# KiCad board pico_keyboard_v1.kicad_pcb
title: Pico Prototype Keyboard 65%; date: 2022-10-16; rev: 0.5; note: CC BY-SA 4.0; note: https://github.com/zli117/Pico-Keyboard
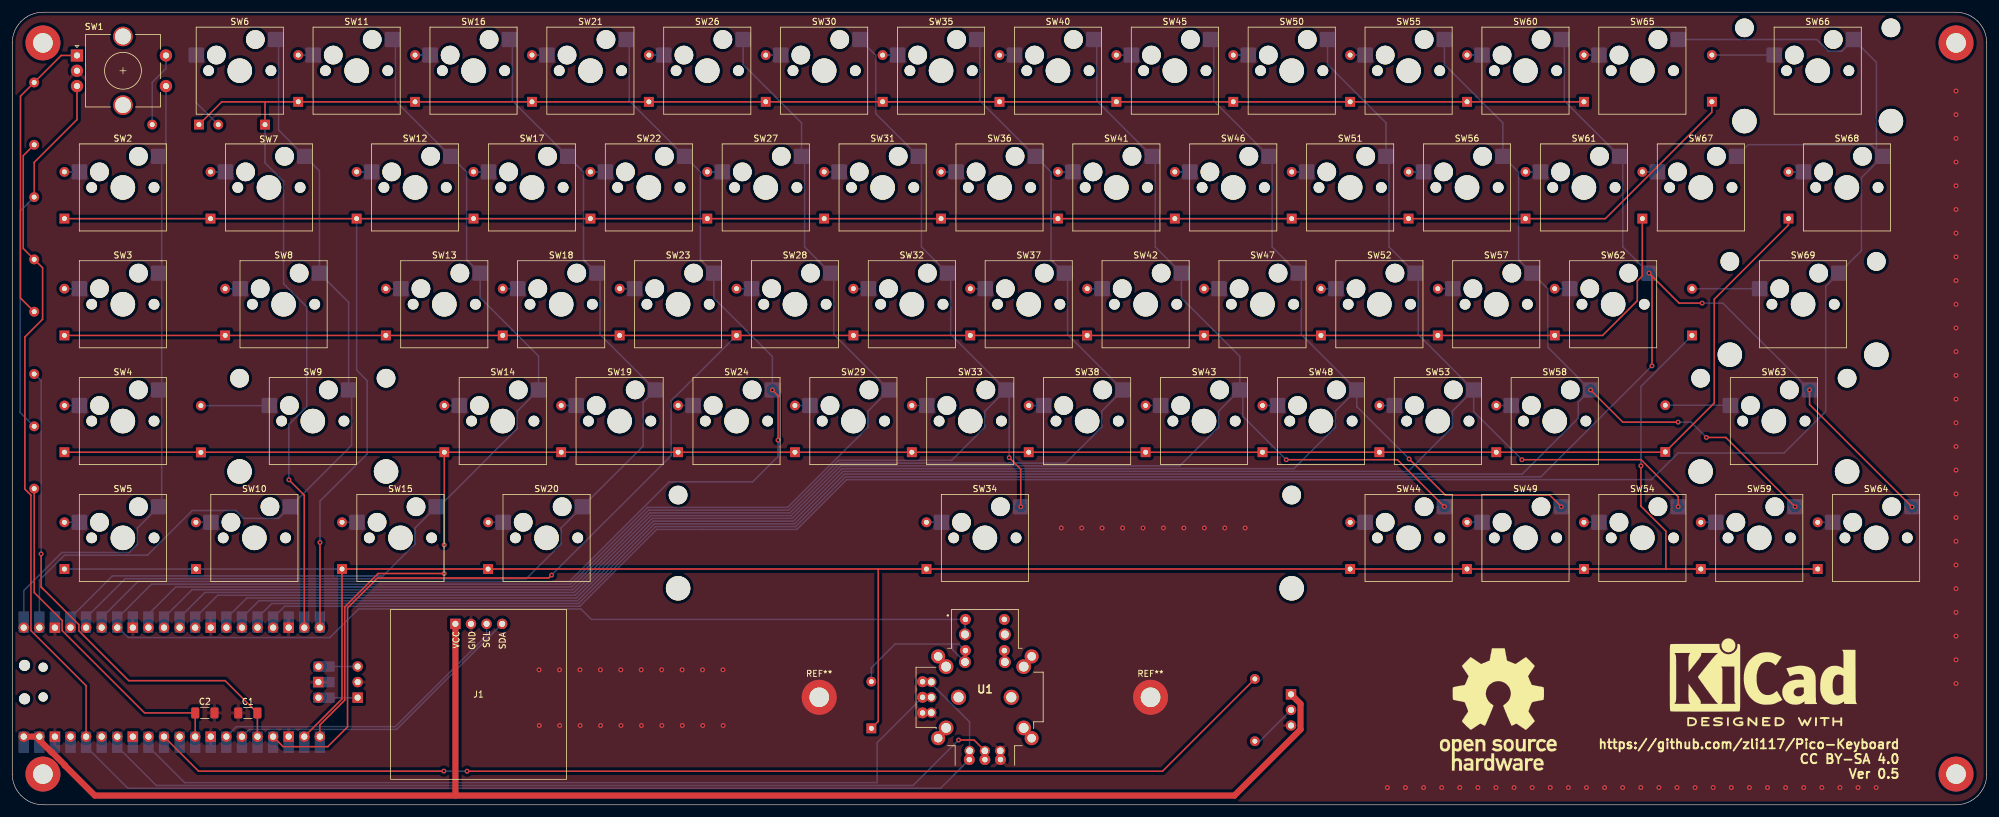
[diagram p0: board, top side]
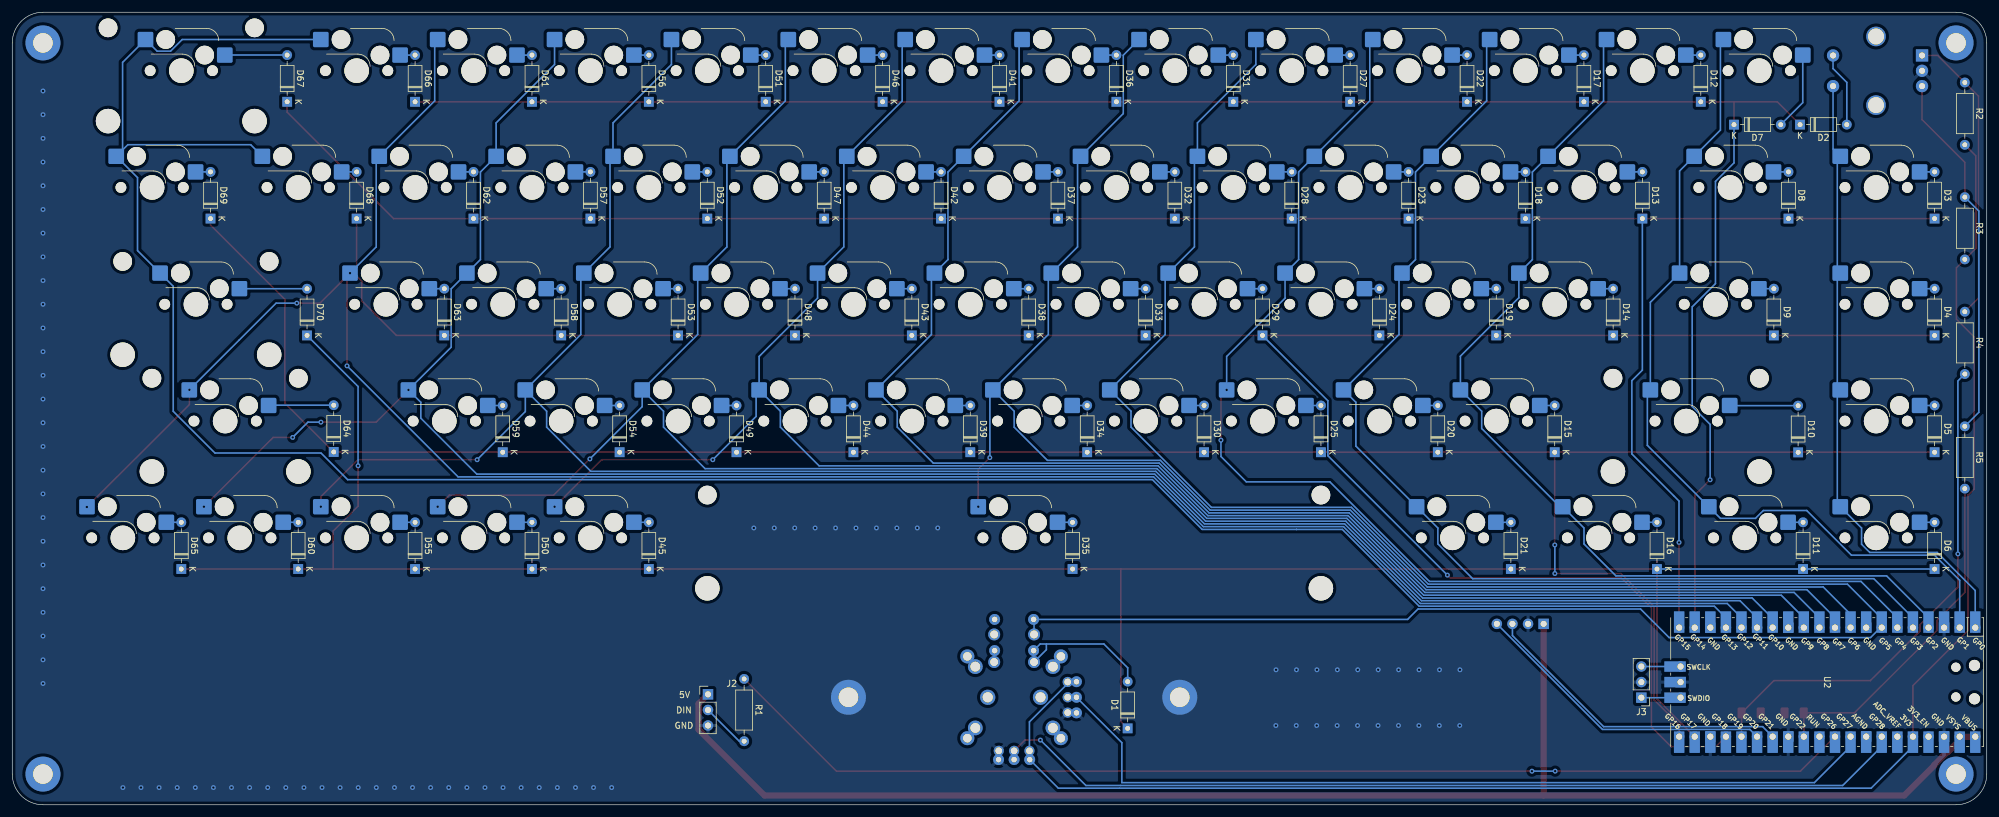
[diagram p1: board, bottom side, seen from below]

Outline 321.8 x 129.25 mm; copper layers: Top, Bottom. Coordinates in mm from the lower left corner of the outline.
Outline path: 0,124.25 0,5 arc(1.46,1.46) 5,0 316.8,0 arc(320.34,1.46) 321.8,5 321.8,124.25 arc(320.34,127.79) 316.8,129.25 5,129.25 arc(1.46,127.79) 0,124.25

## Placement (name value [footprint] x y rotation side)
C1  0.01 μF  [C_1206_3216Metric_Pad1.33x1.80mm_HandSolder]  38.39 14.97 0 top
C2  0.01 μF  [C_1206_3216Metric_Pad1.33x1.80mm_HandSolder]  31.39 14.98 0 top
D1  D  [D_DO-35_SOD27_P7.62mm_Horizontal]  140.01 12.46 90 bottom
D2  D  [D_DO-35_SOD27_P7.62mm_Horizontal]  30.43 110.93 180 bottom
D3  D  [D_DO-35_SOD27_P7.62mm_Horizontal]  8.5 95.59 90 bottom
D4  D  [D_DO-35_SOD27_P7.62mm_Horizontal]  8.5 76.55 90 bottom
D5  D  [D_DO-35_SOD27_P7.62mm_Horizontal]  8.5 57.5 90 bottom
D6  D  [D_DO-35_SOD27_P7.62mm_Horizontal]  8.5 38.44 90 bottom
D7  D  [D_DO-35_SOD27_P7.62mm_Horizontal]  41.19 110.92 180 bottom
D8  D  [D_DO-35_SOD27_P7.62mm_Horizontal]  32.31 95.59 90 bottom
D9  D  [D_DO-35_SOD27_P7.62mm_Horizontal]  34.69 76.55 90 bottom
D10  D  [D_DO-35_SOD27_P7.62mm_Horizontal]  30.74 57.47 90 bottom
D11  D  [D_DO-35_SOD27_P7.62mm_Horizontal]  29.93 38.44 90 bottom
D12  D  [D_DO-35_SOD27_P7.62mm_Horizontal]  46.6 114.64 90 bottom
D13  D  [D_DO-35_SOD27_P7.62mm_Horizontal]  56.12 95.59 90 bottom
D14  D  [D_DO-35_SOD27_P7.62mm_Horizontal]  60.89 76.55 90 bottom
D15  D  [D_DO-35_SOD27_P7.62mm_Horizontal]  70.41 57.5 90 bottom
D16  D  [D_DO-35_SOD27_P7.62mm_Horizontal]  53.74 38.44 90 bottom
D17  D  [D_DO-35_SOD27_P7.62mm_Horizontal]  65.65 114.64 90 bottom
D18  D  [D_DO-35_SOD27_P7.62mm_Horizontal]  75.17 95.59 90 bottom
D19  D  [D_DO-35_SOD27_P7.62mm_Horizontal]  79.94 76.55 90 bottom
D20  D  [D_DO-35_SOD27_P7.62mm_Horizontal]  89.46 57.5 90 bottom
D21  D  [D_DO-35_SOD27_P7.62mm_Horizontal]  77.56 38.44 90 bottom
D22  D  [D_DO-35_SOD27_P7.62mm_Horizontal]  84.7 114.64 90 bottom
D23  D  [D_DO-35_SOD27_P7.62mm_Horizontal]  94.22 95.59 90 bottom
D24  D  [D_DO-35_SOD27_P7.62mm_Horizontal]  98.99 76.55 90 bottom
D25  D  [D_DO-35_SOD27_P7.62mm_Horizontal]  108.51 57.5 90 bottom
D27  D  [D_DO-35_SOD27_P7.62mm_Horizontal]  103.75 114.64 90 bottom
D28  D  [D_DO-35_SOD27_P7.62mm_Horizontal]  113.27 95.59 90 bottom
D29  D  [D_DO-35_SOD27_P7.62mm_Horizontal]  118.04 76.55 90 bottom
D30  D  [D_DO-35_SOD27_P7.62mm_Horizontal]  127.56 57.5 90 bottom
D31  D  [D_DO-35_SOD27_P7.62mm_Horizontal]  122.8 114.64 90 bottom
D32  D  [D_DO-35_SOD27_P7.62mm_Horizontal]  132.32 95.59 90 bottom
D33  D  [D_DO-35_SOD27_P7.62mm_Horizontal]  137.09 76.55 90 bottom
D34  D  [D_DO-35_SOD27_P7.62mm_Horizontal]  146.61 57.5 90 bottom
D35  D  [D_DO-35_SOD27_P7.62mm_Horizontal]  148.99 38.44 90 bottom
D36  D  [D_DO-35_SOD27_P7.62mm_Horizontal]  141.85 114.64 90 bottom
D37  D  [D_DO-35_SOD27_P7.62mm_Horizontal]  151.38 95.59 90 bottom
D38  D  [D_DO-35_SOD27_P7.62mm_Horizontal]  156.14 76.55 90 bottom
D39  D  [D_DO-35_SOD27_P7.62mm_Horizontal]  165.66 57.5 90 bottom
D41  D  [D_DO-35_SOD27_P7.62mm_Horizontal]  160.9 114.64 90 bottom
D42  D  [D_DO-35_SOD27_P7.62mm_Horizontal]  170.43 95.59 90 bottom
D43  D  [D_DO-35_SOD27_P7.62mm_Horizontal]  175.19 76.55 90 bottom
D44  D  [D_DO-35_SOD27_P7.62mm_Horizontal]  184.71 57.5 90 bottom
D45  D  [D_DO-35_SOD27_P7.62mm_Horizontal]  218.05 38.44 90 bottom
D46  D  [D_DO-35_SOD27_P7.62mm_Horizontal]  179.95 114.64 90 bottom
D47  D  [D_DO-35_SOD27_P7.62mm_Horizontal]  189.47 95.59 90 bottom
D48  D  [D_DO-35_SOD27_P7.62mm_Horizontal]  194.24 76.55 90 bottom
D49  D  [D_DO-35_SOD27_P7.62mm_Horizontal]  203.76 57.5 90 bottom
D50  D  [D_DO-35_SOD27_P7.62mm_Horizontal]  237.1 38.44 90 bottom
D51  D  [D_DO-35_SOD27_P7.62mm_Horizontal]  199 114.64 90 bottom
D52  D  [D_DO-35_SOD27_P7.62mm_Horizontal]  208.53 95.59 90 bottom
D53  D  [D_DO-35_SOD27_P7.62mm_Horizontal]  213.29 76.55 90 bottom
D54  D  [D_DO-35_SOD27_P7.62mm_Horizontal]  222.81 57.5 90 bottom
D55  D  [D_DO-35_SOD27_P7.62mm_Horizontal]  256.15 38.44 90 bottom
D56  D  [D_DO-35_SOD27_P7.62mm_Horizontal]  218.05 114.64 90 bottom
D57  D  [D_DO-35_SOD27_P7.62mm_Horizontal]  227.57 95.59 90 bottom
D58  D  [D_DO-35_SOD27_P7.62mm_Horizontal]  232.34 76.55 90 bottom
D59  D  [D_DO-35_SOD27_P7.62mm_Horizontal]  241.86 57.5 90 bottom
D60  D  [D_DO-35_SOD27_P7.62mm_Horizontal]  275.2 38.44 90 bottom
D61  D  [D_DO-35_SOD27_P7.62mm_Horizontal]  237.1 114.64 90 bottom
D62  D  [D_DO-35_SOD27_P7.62mm_Horizontal]  246.62 95.59 90 bottom
D63  D  [D_DO-35_SOD27_P7.62mm_Horizontal]  251.39 76.55 90 bottom
D64  D  [D_DO-35_SOD27_P7.62mm_Horizontal]  269.41 57.54 90 bottom
D65  D  [D_DO-35_SOD27_P7.62mm_Horizontal]  294.25 38.44 90 bottom
D66  D  [D_DO-35_SOD27_P7.62mm_Horizontal]  256.15 114.64 90 bottom
D67  D  [D_DO-35_SOD27_P7.62mm_Horizontal]  277 114.65 90 bottom
D68  D  [D_DO-35_SOD27_P7.62mm_Horizontal]  265.68 95.59 90 bottom
D69  D  [D_DO-35_SOD27_P7.62mm_Horizontal]  289.49 95.59 90 bottom
D70  D  [D_DO-35_SOD27_P7.62mm_Horizontal]  273.76 76.54 90 bottom
J1  Conn_01x04_12864  [JMD0.96C]  76 18 0 top
J2  Conn_01x03_Female  [PinHeader_1x03_P2.54mm_Vertical]  208.41 18 180 bottom
J3  Conn_01x03_Female  [PinHeader_1x03_P2.54mm_Vertical]  56.29 17.47 0 bottom
R1  330  [R_Axial_DIN0207_L6.3mm_D2.5mm_P10.16mm_Horizontal]  202.52 20.52 270 bottom
R2  10k  [R_Axial_DIN0207_L6.3mm_D2.5mm_P10.16mm_Horizontal]  3.57 117.8 270 bottom
R3  10k  [R_Axial_DIN0207_L6.3mm_D2.5mm_P10.16mm_Horizontal]  3.57 99.1 270 bottom
R4  10k  [R_Axial_DIN0207_L6.3mm_D2.5mm_P10.16mm_Horizontal]  3.57 80.41 270 bottom
R5  10k  [R_Axial_DIN0207_L6.3mm_D2.5mm_P10.16mm_Horizontal]  3.57 61.72 270 bottom
REF**  -  [Stabilizer_Cherry_MX_2.00u]  287.11 62.58 0 top
REF**#2  -  [OSHW-Logo_19x20mm_SilkScreen]  242.18 15.54 0 top
REF**#3  -  [Stabilizer_Cherry_MX_2.00u]  294.25 119.72 0 top
REF**#4  -  [MountingHole_3.2mm_M3_ISO7380_Pad]  131.52 17.53 0 top
REF**#5  -  [Stabilizer_Cherry_MX_2.00u]  291.87 81.62 0 top
REF**#6  -  [KiCad-Logo2_12mm_SilkScreen]  285.4 21.2 0 top
REF**#7  -  [MountingHole_3.2mm_M3_ISO7380_Pad]  5 5 0 top
REF**#8  -  [MountingHole_3.2mm_M3_ISO7380_Pad]  316.8 124.25 0 top
REF**#9  -  [MountingHole_3.2mm_M3_ISO7380_Pad]  316.8 5 0 top
REF**#10  -  [Stabilizer_Cherry_MX_6.25u]  158.52 43.53 0 top
REF**#11  -  [MountingHole_3.2mm_M3_ISO7380_Pad]  5 124.25 0 top
REF**#12  -  [Stabilizer_Cherry_MX_2.00u]  48.98 62.58 0 top
REF**#13  -  [MountingHole_3.2mm_M3_ISO7380_Pad]  185.52 17.53 0 top
SW1  RotaryEncoder_Switch  [RotaryEncoder_Alps_EC11E-Switch_Vertical_H20mm_CircularMountingHoles]  10.54 122.2 0 top
SW2  SW_esc  [SW_Hotswap_Kailh_MX_1.00u]  18.02 100.67 0 top
SW3  SW_del  [SW_Hotswap_Kailh_MX_1.00u]  18.02 81.62 0 top
SW4  SW_ins  [SW_Hotswap_Kailh_MX_1.00u]  18.02 62.58 0 top
SW5  SW_fn1  [SW_Hotswap_Kailh_MX_1.00u]  18.02 43.53 0 top
SW6  SW_`  [SW_Hotswap_Kailh_MX_1.00u]  37.08 119.72 0 top
SW7  SW_tab  [SW_Hotswap_Kailh_MX_1.50u]  41.84 100.67 0 top
SW8  SW_caps  [SW_Hotswap_Kailh_MX_1.75u]  44.22 81.62 0 top
SW9  SW_shift  [SW_Hotswap_Kailh_MX_2.25u]  48.98 62.58 0 top
SW10  SW_ctrl  [SW_Hotswap_Kailh_MX_1.25u]  39.46 43.53 0 top
SW11  SW_1  [SW_Hotswap_Kailh_MX_1.00u]  56.12 119.72 0 top
SW12  SW_q  [SW_Hotswap_Kailh_MX_1.00u]  65.65 100.67 0 top
SW13  SW_a  [SW_Hotswap_Kailh_MX_1.00u]  70.41 81.62 0 top
SW14  SW_z  [SW_Hotswap_Kailh_MX_1.00u]  79.94 62.58 0 top
SW15  SW_super  [SW_Hotswap_Kailh_MX_1.25u]  63.27 43.53 0 top
SW16  SW_2  [SW_Hotswap_Kailh_MX_1.00u]  75.17 119.72 0 top
SW17  SW_w  [SW_Hotswap_Kailh_MX_1.00u]  84.7 100.67 0 top
SW18  SW_s  [SW_Hotswap_Kailh_MX_1.00u]  89.46 81.62 0 top
SW19  SW_x  [SW_Hotswap_Kailh_MX_1.00u]  98.99 62.58 0 top
SW20  SW_alt  [SW_Hotswap_Kailh_MX_1.25u]  87.08 43.53 0 top
SW21  SW_3  [SW_Hotswap_Kailh_MX_1.00u]  94.22 119.72 0 top
SW22  SW_e  [SW_Hotswap_Kailh_MX_1.00u]  103.75 100.67 0 top
SW23  SW_d  [SW_Hotswap_Kailh_MX_1.00u]  108.51 81.62 0 top
SW24  SW_c  [SW_Hotswap_Kailh_MX_1.00u]  118.04 62.58 0 top
SW26  SW_4  [SW_Hotswap_Kailh_MX_1.00u]  113.27 119.72 0 top
SW27  SW_r  [SW_Hotswap_Kailh_MX_1.00u]  122.8 100.67 0 top
SW28  SW_f  [SW_Hotswap_Kailh_MX_1.00u]  127.56 81.62 0 top
SW29  SW_v  [SW_Hotswap_Kailh_MX_1.00u]  137.09 62.58 0 top
SW30  SW_5  [SW_Hotswap_Kailh_MX_1.00u]  132.32 119.72 0 top
SW31  SW_t  [SW_Hotswap_Kailh_MX_1.00u]  141.85 100.67 0 top
SW32  SW_g  [SW_Hotswap_Kailh_MX_1.00u]  146.61 81.62 0 top
SW33  SW_b  [SW_Hotswap_Kailh_MX_1.00u]  156.14 62.58 0 top
SW34  SW_space  [SW_Hotswap_Kailh_MX_6.25u]  158.52 43.53 0 top
SW35  SW_6  [SW_Hotswap_Kailh_MX_1.00u]  151.38 119.72 0 top
SW36  SW_y  [SW_Hotswap_Kailh_MX_1.00u]  160.9 100.67 0 top
SW37  SW_h  [SW_Hotswap_Kailh_MX_1.00u]  165.66 81.62 0 top
SW38  SW_n  [SW_Hotswap_Kailh_MX_1.00u]  175.19 62.58 0 top
SW40  SW_7  [SW_Hotswap_Kailh_MX_1.00u]  170.43 119.72 0 top
SW41  SW_u  [SW_Hotswap_Kailh_MX_1.00u]  179.95 100.67 0 top
SW42  SW_j  [SW_Hotswap_Kailh_MX_1.00u]  184.71 81.62 0 top
SW43  SW_m  [SW_Hotswap_Kailh_MX_1.00u]  194.24 62.58 0 top
SW44  SW_fn2  [SW_Hotswap_Kailh_MX_1.00u]  227.57 43.53 0 top
SW45  SW_8  [SW_Hotswap_Kailh_MX_1.00u]  189.47 119.72 0 top
SW46  SW_i  [SW_Hotswap_Kailh_MX_1.00u]  199 100.67 0 top
SW47  SW_k  [SW_Hotswap_Kailh_MX_1.00u]  203.76 81.62 0 top
SW48  SW_,  [SW_Hotswap_Kailh_MX_1.00u]  213.29 62.58 0 top
SW49  SW_left  [SW_Hotswap_Kailh_MX_1.00u]  246.62 43.53 0 top
SW50  SW_9  [SW_Hotswap_Kailh_MX_1.00u]  208.53 119.72 0 top
SW51  SW_o  [SW_Hotswap_Kailh_MX_1.00u]  218.05 100.67 0 top
SW52  SW_l  [SW_Hotswap_Kailh_MX_1.00u]  222.81 81.62 0 top
SW53  SW_.  [SW_Hotswap_Kailh_MX_1.00u]  232.34 62.58 0 top
SW54  SW_down  [SW_Hotswap_Kailh_MX_1.00u]  265.68 43.53 0 top
SW55  SW_0  [SW_Hotswap_Kailh_MX_1.00u]  227.57 119.72 0 top
SW56  SW_p  [SW_Hotswap_Kailh_MX_1.00u]  237.1 100.67 0 top
SW57  SW_;  [SW_Hotswap_Kailh_MX_1.00u]  241.86 81.62 0 top
SW58  SW_/  [SW_Hotswap_Kailh_MX_1.00u]  251.39 62.58 0 top
SW59  SW_up  [SW_Hotswap_Kailh_MX_1.00u]  284.73 43.53 0 top
SW60  SW_-  [SW_Hotswap_Kailh_MX_1.00u]  246.62 119.72 0 top
SW61  SW_[  [SW_Hotswap_Kailh_MX_1.00u]  256.15 100.67 0 top
SW62  SW_'  [SW_Hotswap_Kailh_MX_1.00u]  260.91 81.62 0 top
SW63  SW_r_shift  [SW_Hotswap_Kailh_MX_2.75u]  287.11 62.58 0 top
SW64  SW_right  [SW_Hotswap_Kailh_MX_1.00u]  303.77 43.53 0 top
SW65  SW_+  [SW_Hotswap_Kailh_MX_1.00u]  265.68 119.72 0 top
SW66  SW_back  [SW_Hotswap_Kailh_MX_2.00u]  294.25 119.72 0 top
SW67  SW_]  [SW_Hotswap_Kailh_MX_1.00u]  275.2 100.67 0 top
SW68  SW_\  [SW_Hotswap_Kailh_MX_1.50u]  299.01 100.67 0 top
SW69  SW_enter  [SW_Hotswap_Kailh_MX_2.25u]  291.87 81.62 0 top
U1  RKJXV1224  [RKJXV122400R_COM09032]  158.52 17.53 0 top
U2  Pico  [RPi_Pico_SMD_TH]  26 20 270 bottom

## Footprints (pads in the part's own frame, mm; a bottom-side part is the same pattern mirrored in y, then rotated)
C_1206_3216Metric_Pad1.33x1.80mm_HandSolder
  rrect 1.325x1.8 smd: 1(-1.562,0) 2(1.562,0)
D_DO-35_SOD27_P7.62mm_Horizontal
  rect 1.6x1.6 hole 0.8: 1(0,0)
  oval 1.6x1.6 hole 0.8: 2(7.62,0)
JMD0.96C
  rect 1.7x1.7 hole 1: 1(-3.78,11.5)
  oval 1.7x1.7 hole 1: 2(-1.24,11.5) 3(1.3,11.5) 4(3.84,11.5)
MountingHole_3.2mm_M3_ISO7380_Pad
  round 5.7 hole 3.2: 1(0,0)
PinHeader_1x03_P2.54mm_Vertical
  rect 1.7x1.7 hole 1: 1(0,0)
  oval 1.7x1.7 hole 1: 2(0,-2.54) 3(0,-5.08)
R_Axial_DIN0207_L6.3mm_D2.5mm_P10.16mm_Horizontal
  round 1.6 hole 0.8: 1(0,0)
  oval 1.6x1.6 hole 0.8: 2(10.16,0)
RKJXV122400R_COM09032
  round 1.778 hole 0.9: A1(3.175,7.62) B1(3.175,12.7) C1(-3.175,7.62) D1(-3.175,12.7)
  round 1.95 hole 1.3: A1(3.25,5.75) B1(3.25,10.25) C1(-3.25,5.75) D1(-3.25,10.25)
  round 1.778 hole 0.889: A11(-10.16,2.54) A12(-10.16,0) A13(-10.16,-2.54) B11(-2.54,-10.16) B12(0,-10.16) B13(2.54,-10.16)
  round 1.65 hole 1.1: A11(-8.73,2.5) A12(-8.73,0) A13(-8.73,-2.5) B11(-2.5,-8.73) B12(0,-8.73) B13(2.5,-8.73)
  round 2.4 hole 1.6: MH1(6.325,5) MH2(6.325,-5) MH3(-6.325,5) MH4(-6.325,-5)
  round 2.286 hole 1.397: MH1(7.62,6.668) MH2(7.62,-6.668) MH3(-7.62,6.668) MH4(-7.62,-6.668)
  round 2.475 hole 1.65: MH5(4.3,0) MH6(-4.3,0)
RotaryEncoder_Alps_EC11E-Switch_Vertical_H20mm_CircularMountingHoles
  rect 2x2 hole 1: A(0,0)
  round 2 hole 1: B(0,-5) C(0,-2.5) S1(14.5,-5) S2(14.5,0)
  round 3.2 hole 2.6: MP(7.5,3.1) MP(7.5,-8.1)
RPi_Pico_SMD_TH
  oval 1.8x1.8 hole 1.8 unplated: (-2.725,24) (2.725,24)
  oval 1.5x1.5 hole 1.5 unplated: (-2.425,20.97) (2.425,20.97)
  oval 1.7x1.7 hole 1.02: 1(-8.89,24.13) 2(-8.89,21.59) 4(-8.89,16.51) 5(-8.89,13.97) 6(-8.89,11.43) 7(-8.89,8.89) 9(-8.89,3.81) 10(-8.89,1.27) 11(-8.89,-1.27) 12(-8.89,-3.81) 14(-8.89,-8.89) 15(-8.89,-11.43) 16(-8.89,-13.97) 17(-8.89,-16.51) 19(-8.89,-21.59) 20(-8.89,-24.13) 21(8.89,-24.13) 22(8.89,-21.59) 24(8.89,-16.51) 25(8.89,-13.97) 26(8.89,-11.43) 27(8.89,-8.89) 29(8.89,-3.81) 30(8.89,-1.27) 31(8.89,1.27) 32(8.89,3.81) 34(8.89,8.89) 35(8.89,11.43) 36(8.89,13.97) 37(8.89,16.51) 39(8.89,21.59) 40(8.89,24.13) 41(-2.54,-23.9) 43(2.54,-23.9)
  rect 3.5x1.7 smd: 1(-8.89,24.13) 2(-8.89,21.59) 3(-8.89,19.05) 4(-8.89,16.51) 5(-8.89,13.97) 6(-8.89,11.43) 7(-8.89,8.89) 8(-8.89,6.35) 9(-8.89,3.81) 10(-8.89,1.27) 11(-8.89,-1.27) 12(-8.89,-3.81) 13(-8.89,-6.35) 14(-8.89,-8.89) 15(-8.89,-11.43) 16(-8.89,-13.97) 17(-8.89,-16.51) 18(-8.89,-19.05) 19(-8.89,-21.59) 20(-8.89,-24.13) 21(8.89,-24.13) 22(8.89,-21.59) 23(8.89,-19.05) 24(8.89,-16.51) 25(8.89,-13.97) 26(8.89,-11.43) 27(8.89,-8.89) 28(8.89,-6.35) 29(8.89,-3.81) 30(8.89,-1.27) 31(8.89,1.27) 32(8.89,3.81) 33(8.89,6.35) 34(8.89,8.89) 35(8.89,11.43) 36(8.89,13.97) 37(8.89,16.51) 38(8.89,19.05) 39(8.89,21.59) 40(8.89,24.13)
  rect 1.7x1.7 hole 1.02: 3(-8.89,19.05) 8(-8.89,6.35) 13(-8.89,-6.35) 18(-8.89,-19.05) 23(8.89,-19.05) 28(8.89,-6.35) 33(8.89,6.35) 38(8.89,19.05) 42(0,-23.9)
  rect 1.7x3.5 smd: 41(-2.54,-23.9) 42(0,-23.9) 43(2.54,-23.9)
Stabilizer_Cherry_MX_2.00u
  round 3.048 hole 3.048 unplated: (-11.938,6.985) (11.938,6.985)
  round 3.988 hole 3.988 unplated: (-11.938,-8.225) (11.938,-8.225)
Stabilizer_Cherry_MX_6.25u
  round 3.048 hole 3.048 unplated: (-50,6.985) (50,6.985)
  round 3.988 hole 3.988 unplated: (-50,-8.225) (50,-8.225)
SW_Hotswap_Kailh_MX_1.00u
  round 1.75 hole 1.75 unplated: (-5.08,0) (5.08,0)
  round 3.05 hole 3.05 unplated: (-3.81,2.54) (2.54,5.08)
  round 4 hole 4 unplated: (0,0)
  rrect 2.55x2.5 smd far side: 1(-7.085,2.54) 2(5.842,5.08)
SW_Hotswap_Kailh_MX_1.25u
  round 1.75 hole 1.75 unplated: (-5.08,0) (5.08,0)
  round 3.05 hole 3.05 unplated: (-3.81,2.54) (2.54,5.08)
  round 4 hole 4 unplated: (0,0)
  rrect 2.55x2.5 smd far side: 1(-7.085,2.54) 2(5.842,5.08)
SW_Hotswap_Kailh_MX_1.50u
  round 1.75 hole 1.75 unplated: (-5.08,0) (5.08,0)
  round 3.05 hole 3.05 unplated: (-3.81,2.54) (2.54,5.08)
  round 4 hole 4 unplated: (0,0)
  rrect 2.55x2.5 smd far side: 1(-7.085,2.54) 2(5.842,5.08)
SW_Hotswap_Kailh_MX_1.75u
  round 1.75 hole 1.75 unplated: (-5.08,0) (5.08,0)
  round 3.05 hole 3.05 unplated: (-3.81,2.54) (2.54,5.08)
  round 4 hole 4 unplated: (0,0)
  rrect 2.55x2.5 smd far side: 1(-7.085,2.54) 2(5.842,5.08)
SW_Hotswap_Kailh_MX_2.00u
  round 1.75 hole 1.75 unplated: (-5.08,0) (5.08,0)
  round 3.05 hole 3.05 unplated: (-3.81,2.54) (2.54,5.08)
  round 4 hole 4 unplated: (0,0)
  rrect 2.55x2.5 smd far side: 1(-7.085,2.54) 2(5.842,5.08)
SW_Hotswap_Kailh_MX_2.25u
  round 1.75 hole 1.75 unplated: (-5.08,0) (5.08,0)
  round 3.05 hole 3.05 unplated: (-3.81,2.54) (2.54,5.08)
  round 4 hole 4 unplated: (0,0)
  rrect 2.55x2.5 smd far side: 1(-7.085,2.54) 2(5.842,5.08)
SW_Hotswap_Kailh_MX_2.75u
  round 1.75 hole 1.75 unplated: (-5.08,0) (5.08,0)
  round 3.05 hole 3.05 unplated: (-3.81,2.54) (2.54,5.08)
  round 4 hole 4 unplated: (0,0)
  rrect 2.55x2.5 smd far side: 1(-7.085,2.54) 2(5.842,5.08)
SW_Hotswap_Kailh_MX_6.25u
  round 1.75 hole 1.75 unplated: (-5.08,0) (5.08,0)
  round 3.05 hole 3.05 unplated: (-3.81,2.54) (2.54,5.08)
  round 4 hole 4 unplated: (0,0)
  rrect 2.55x2.5 smd far side: 1(-7.085,2.54) 2(5.842,5.08)

## Nets
+3V3: R2.2 R3.2 U1.A11 U1.B11 U2.36
+5V: J1.1 J2.1 U2.39 U2.40
GND: C1.1 C2.2 J1.2 J2.3 J3.2 SW1.C U1.A13 U1.B13 U2.3 U2.8 U2.13 U2.18 U2.23 U2.28 U2.38 U2.42
C0: SW1.S1 SW2.2 SW3.2 SW4.2 SW5.2 U2.1
C1: SW6.2 SW7.2 SW8.2 SW9.2 SW10.2 U2.2
C2: SW11.2 SW12.2 SW13.2 SW14.2 SW15.2 U2.4
C3: SW16.2 SW17.2 SW18.2 SW19.2 SW20.2 U2.5
C4: SW21.2 SW22.2 SW23.2 SW24.2 U2.6
C5: SW26.2 SW27.2 SW28.2 SW29.2 U1.D1 U2.7
C6: SW30.2 SW31.2 SW32.2 SW33.2 SW34.2 U2.9
C7: SW35.2 SW36.2 SW37.2 SW38.2 U2.10
C8: SW40.2 SW41.2 SW42.2 SW43.2 SW44.2 U2.11
C9: SW45.2 SW46.2 SW47.2 SW48.2 SW49.2 U2.12
C10: SW50.2 SW51.2 SW52.2 SW53.2 SW54.2 U2.14
C11: SW55.2 SW56.2 SW57.2 SW58.2 SW59.2 U2.15
C12: SW60.2 SW61.2 SW62.2 SW63.2 SW64.2 U2.16
C13: SW65.2 SW66.2 SW67.2 SW68.2 SW69.2 U2.17
GPIO14: D2.1 D7.1 D12.1 D17.1 D22.1 D27.1 D31.1 D36.1 D41.1 D46.1 D51.1 D56.1 D61.1 D66.1 U2.19
GPIO15: D3.1 D8.1 D13.1 D18.1 D23.1 D28.1 D32.1 D37.1 D42.1 D47.1 D52.1 D57.1 D62.1 D67.1 U2.20
GPIO16: D5.1 D10.1 D15.1 D20.1 D25.1 D30.1 D34.1 D39.1 D44.1 D49.1 D54.1 D59.1 D64.1 D69.1 U2.21
GPIO17: D1.1 D6.1 D11.1 D16.1 D21.1 D35.1 D45.1 D50.1 D55.1 D60.1 D65.1 D70.1 U2.22
GPIO18: D4.1 D9.1 D14.1 D19.1 D24.1 D29.1 D33.1 D38.1 D43.1 D48.1 D53.1 D58.1 D63.1 D68.1 U2.24
GPIO19: C1.2 R4.2 U2.25
GPIO20: J1.4 U2.26
GPIO21: J1.3 U2.27
GPIO22: C2.1 R5.2 U2.29
GPIO26: R1.1 U2.31
GPIO27: U1.A12 U2.32
GPIO28: U1.B12 U2.34
Net-(D1-Pad2): D1.2 U1.C1
Net-(D2-Pad2): D2.2 SW1.S2
Net-(D3-Pad2): D3.2 SW2.1
Net-(D4-Pad2): D4.2 SW3.1
Net-(D5-Pad2): D5.2 SW4.1
Net-(D6-Pad2): D6.2 SW5.1
Net-(D7-Pad2): D7.2 SW6.1
Net-(D8-Pad2): D8.2 SW7.1
Net-(D9-Pad2): D9.2 SW8.1
Net-(D10-Pad2): D10.2 SW9.1
Net-(D11-Pad2): D11.2 SW10.1
Net-(D12-Pad2): D12.2 SW11.1
Net-(D13-Pad2): D13.2 SW12.1
Net-(D14-Pad2): D14.2 SW13.1
Net-(D15-Pad2): D15.2 SW14.1
Net-(D16-Pad2): D16.2 SW15.1
Net-(D17-Pad2): D17.2 SW16.1
Net-(D18-Pad2): D18.2 SW17.1
Net-(D19-Pad2): D19.2 SW18.1
Net-(D20-Pad2): D20.2 SW19.1
Net-(D21-Pad2): D21.2 SW20.1
Net-(D22-Pad2): D22.2 SW21.1
Net-(D23-Pad2): D23.2 SW22.1
Net-(D24-Pad2): D24.2 SW23.1
Net-(D25-Pad2): D25.2 SW24.1
Net-(D27-Pad2): D27.2 SW26.1
Net-(D28-Pad2): D28.2 SW27.1
Net-(D29-Pad2): D29.2 SW28.1
Net-(D30-Pad2): D30.2 SW29.1
Net-(D31-Pad2): D31.2 SW30.1
Net-(D32-Pad2): D32.2 SW31.1
Net-(D33-Pad2): D33.2 SW32.1
Net-(D34-Pad2): D34.2 SW33.1
Net-(D35-Pad2): D35.2 SW34.1
Net-(D36-Pad2): D36.2 SW35.1
Net-(D37-Pad2): D37.2 SW36.1
Net-(D38-Pad2): D38.2 SW37.1
Net-(D39-Pad2): D39.2 SW38.1
Net-(D41-Pad2): D41.2 SW40.1
Net-(D42-Pad2): D42.2 SW41.1
Net-(D43-Pad2): D43.2 SW42.1
Net-(D44-Pad2): D44.2 SW43.1
Net-(D45-Pad2): D45.2 SW44.1
Net-(D46-Pad2): D46.2 SW45.1
Net-(D47-Pad2): D47.2 SW46.1
Net-(D48-Pad2): D48.2 SW47.1
Net-(D49-Pad2): D49.2 SW48.1
Net-(D50-Pad2): D50.2 SW49.1
Net-(D51-Pad2): D51.2 SW50.1
Net-(D52-Pad2): D52.2 SW51.1
Net-(D53-Pad2): D53.2 SW52.1
Net-(D54-Pad2): D54.2 SW53.1
Net-(D55-Pad2): D55.2 SW54.1
Net-(D56-Pad2): D56.2 SW55.1
Net-(D57-Pad2): D57.2 SW56.1
Net-(D58-Pad2): D58.2 SW57.1
Net-(D59-Pad2): D59.2 SW58.1
Net-(D60-Pad2): D60.2 SW59.1
Net-(D61-Pad2): D61.2 SW60.1
Net-(D62-Pad2): D62.2 SW61.1
Net-(D63-Pad2): D63.2 SW62.1
Net-(D64-Pad2): D64.2 SW63.1
Net-(D65-Pad2): D65.2 SW64.1
Net-(D66-Pad2): D66.2 SW65.1
Net-(D67-Pad2): D67.2 SW66.1
Net-(D68-Pad2): D68.2 SW67.1
Net-(D69-Pad2): D69.2 SW68.1
Net-(D70-Pad2): D70.2 SW69.1
Net-(J2-Pad2): J2.2 R1.2
Net-(J3-Pad1): J3.1 U2.43
Net-(J3-Pad3): J3.3 U2.41
Net-(R2-Pad1): R2.1 R4.1 SW1.A
Net-(R3-Pad1): R3.1 R5.1 SW1.B

Pads without a net: REF**#4 1; REF**#7 1; REF**#8 1; REF**#9 1; REF**#11 1; REF**#13 1; SW1 MP; U1 A1 B1 MH1 MH2 MH3 MH4 MH5 MH6; U2 30 33 35 37

## Via types
v1: diameter 0.8, hole 0.4, Top to Bottom, 113 vias

## Routing (per net, layer and track width the routed paths; a pad name or vN(x,y) marks a point on that pad's centre or on a via; arc(x,y) is an arc through that point)
+3V3: length 268
  Top w0.25: U2.36 12.03,19.42 3.04,28.4 3.04,50.49 2.05,51.49 2.05,76.29 4.94,79.18 4.94,87.57 R3.2 1.79,90.72 1.79,105.86 R2.2
  Bottom w0.25: U2.36 12.03,9.5 18.84,2.69 151.3,2.69 U1.B11 ; U1.A11 149.79,19.75 156.02,13.52 U1.B11
+5V: length 251.3
  Top w0.25: 72.22,1.53 72.25,1.5
  Top w1: J2.1 209.96,16.45 209.96,12.27 199.19,1.5 13.46,1.5 8.55,6.41 8.55,6.47 6.47,8.55 6.41,8.55 4.41,10.55 U2.39 U2.40 ; J1.1 72.22,1.53
GND:
  vias: v1(85.86,22.01) v1(85.89,12.92) v1(89.19,22.01) v1(89.22,12.92) v1(92.52,22.01) v1(92.55,12.92) v1(95.85,22.01) v1(95.88,12.92) v1(99.18,22.01) v1(99.21,12.92) v1(102.51,22.01) v1(102.54,12.92) v1(105.84,22.01) v1(105.87,12.92) v1(109.17,22.01) v1(109.2,12.92) v1(112.5,22.01) v1(112.53,12.92) v1(115.83,22.01) v1(115.86,12.92) v1(170.97,45.14) v1(174.3,45.14) v1(177.63,45.14) v1(180.96,45.14) v1(184.29,45.14) v1(187.62,45.14) v1(190.95,45.14) v1(194.28,45.14) v1(197.61,45.14) v1(200.94,45.14) v1(224.11,2.8) v1(227.06,2.8) v1(230.01,2.8) v1(232.96,2.8) v1(235.91,2.8) v1(238.86,2.8) v1(241.81,2.8) v1(244.76,2.8) v1(247.72,2.8) v1(250.67,2.8) v1(253.62,2.8) v1(256.57,2.8) v1(259.52,2.8) v1(262.47,2.8) v1(265.42,2.8) v1(268.37,2.8) v1(271.32,2.8) v1(274.27,2.8) v1(277.22,2.8) v1(280.17,2.8) v1(283.12,2.8) v1(286.07,2.8) v1(289.02,2.8) v1(291.97,2.8) v1(294.92,2.8) v1(297.87,2.8) v1(300.82,2.8) v1(303.77,2.8) v1(316.79,116.42) v1(316.79,112.55) v1(316.79,108.68) v1(316.79,104.82) v1(316.79,100.95) v1(316.79,97.09) v1(316.79,93.22) v1(316.79,89.36) v1(316.79,85.49) v1(316.79,81.62) v1(316.79,77.76) v1(316.79,73.89) v1(316.79,70.03) v1(316.79,66.16) v1(316.79,62.3) v1(316.79,58.43) v1(316.79,54.57) v1(316.79,50.7) v1(316.79,46.83) v1(316.79,42.97) v1(316.79,39.1) v1(316.79,35.24) v1(316.79,31.37) v1(316.79,27.51) v1(316.79,23.64) v1(316.79,19.78)
C0: length 105.6
  Bottom w0.25: SW1.S1 25.04,106.93 23.87,105.75 24.35,105.27 24.35,87.19 23.87,86.7 24.35,86.22 24.35,68.14 23.87,67.66 24.35,67.17 24.35,49.09 20.4,45.14 20.4,42.49 19.06,41.15 8.09,41.15 1.87,34.93 U2.1
C1: length 140.1
  Bottom w0.25: SW6.2 43.4,124.32 43.4,110.03 50.06,103.37 SW8.2 54.82,81.94 SW9.2 55.31,67.17 55.31,58.62 SW10.2 43.4,46.71 37.69,46.71 36.41,47.99 29.34,47.99 22.05,40.7 8.51,40.7 4.41,36.6 U2.2
C2: length 163.5
  Bottom w0.25: SW11.2 62.45,124.32 62.45,114.79 74.05,103.2 74.05,88.91 SW13.2 76.25,82.69 85.78,73.16 SW14.2 82.31,64.19 82.31,61.36 69.56,48.61 SW15.2 65.64,45.14 65.64,42.54 60.42,37.32 16.31,37.32 9.49,30.5 U2.4
C3: length 182.5
  Bottom w0.25: SW16.2 81.5,124.32 81.5,114.79 93.1,103.2 93.1,88.91 SW18.2 95.79,86.22 95.79,76.69 SW19.2 102.82,65.64 102.82,58.5 SW20.2 89.46,45.14 89.46,42.54 83.79,36.87 18.4,36.87 12.03,30.5 U2.5
C4: length 201
  Top w0.25: v1(123.88,67.66) 124.81,66.72 v1(124.81,59.46)
  Bottom w0.25: v1(123.88,67.66) 123.88,73.11 114.35,82.63 SW23.2 112.15,88.91 112.15,103.2 100.55,114.79 100.55,124.32 SW21.2 ; v1(124.81,59.46) 124.81,56.8 120.67,52.66 107.06,52.66 90.82,36.42 20.49,36.42 14.57,30.5 U2.6
C5: length 355.3
  Bottom w0.25: U1.D1 155.27,30.15 U1.D1 94.38,30.22 92.68,31.93 56.42,31.93 51.76,27.27 18.93,27.27 17.3,28.89 U2.7 17.11,30.38 22.7,35.97 91.01,35.97 103.54,48.5 126.37,48.5 139.46,61.59 139.46,64.19 SW29.2 133.89,76.69 133.89,86.22 SW28.2 129.13,90.98 129.13,105.27 128.64,105.75 128.64,111.21 119.12,120.73 SW26.2
C6: length 245.7
  Top w0.25: v1(162.48,56.61) 164.36,54.73 v1(164.36,48.61)
  Bottom w0.25: U2.9 22.19,31.06 26.65,35.52 91.19,35.52 103.72,48.05 126.56,48.05 134.68,56.17 153.09,56.17 158.51,61.59 158.51,64.19 SW33.2 ; SW33.2 162.47,67.17 162.47,56.62 v1(162.48,56.61) ; SW33.2 152.94,76.69 152.94,86.22 SW32.2 148.18,90.98 148.18,105.27 140.73,112.72 140.73,122.25 SW30.2
C7: length 241.8
  Bottom w0.25: SW35.2 157.7,124.32 157.7,114.79 169.3,103.2 169.3,88.91 SW37.2 171.99,86.22 171.99,76.69 SW38.2 177.56,64.19 177.56,61.59 171.69,55.72 134.86,55.72 126.74,47.6 103.91,47.6 91.38,35.07 29.3,35.07 24.73,30.5 U2.10
C8: length 301.8
  Top w0.25: v1(233.42,48.61) 225.75,56.27 v1(207.63,56.27)
  Bottom w0.25: SW43.2 196.61,64.19 196.61,61.59 190.29,55.27 135.05,55.27 126.93,47.15 104.09,47.15 91.57,34.62 31.39,34.62 27.27,30.5 U2.11 ; SW43.2 200.57,67.17 200.57,63.33 v1(207.63,56.27) ; SW43.2 200.08,73.11 190.55,82.63 SW42.2 186.28,90.98 186.28,105.27 176.75,114.79 176.75,124.32 SW40.2
C9: length 317.7
  Top w0.25: v1(252.47,48.61) 250.57,50.5 233.56,50.5 v1(227.66,56.4)
  Bottom w0.25: SW48.2 210.09,76.69 210.09,86.22 SW47.2 205.33,90.98 205.33,105.27 195.8,114.79 195.8,124.32 SW45.2 ; SW48.2 215.66,64.19 215.66,61.59 208.89,54.82 135.23,54.82 127.12,46.7 104.28,46.7 91.75,34.17 33.48,34.17 29.81,30.5 U2.12 ; SW48.2 219.13,64.93 v1(227.66,56.4)
C10: length 333
  Top w0.25: v1(271.52,48.61) 271.52,50.23 265.47,56.27 v1(246.04,56.27)
  Bottom w0.25: SW53.2 229.14,76.69 229.14,86.22 SW52.2 224.38,90.98 224.38,105.27 223.89,105.75 223.89,111.21 214.37,120.73 SW50.2 ; SW53.2 234.71,64.19 234.71,61.59 227.49,54.37 135.42,54.37 127.3,46.25 104.47,46.25 91.94,33.72 38.23,33.72 34.89,30.38 U2.14 ; SW53.2 238.18,64.13 v1(246.04,56.27)
C11: length 346.6
  Top w0.25: v1(276.1,59.91) 279.26,59.91 v1(290.57,48.61) ; v1(257.23,67.66) 262.48,62.4 v1(271.5,62.4)
  Bottom w0.25: U2.15 37.43,30.5 40.21,33.27 92.12,33.27 104.65,45.8 127.49,45.8 135.61,53.92 246.09,53.92 255.22,63.05 255.22,65.64 v1(257.23,67.66) 250.26,74.62 250.26,84.15 SW57.2 245.5,88.91 245.5,103.2 242.94,105.75 242.94,111.21 233.42,120.73 SW55.2 ; v1(276.1,59.91) 273.61,62.4 v1(271.5,62.4)
C12: length 365.4
  Top w0.25: v1(267.24,71.58) 267.24,86.22 v1(266.75,86.7) 271.65,81.81 v1(275.43,81.81) ; v1(292.93,67.68) 292.93,65.27 v1(309.64,48.56)
  Bottom w0.25: v1(267.24,71.58) 249.13,53.47 135.79,53.47 127.67,45.35 104.84,45.35 92.31,32.83 42.3,32.83 39.97,30.5 U2.16 ; SW63.2 v1(292.93,67.68) 278.79,81.81 v1(275.43,81.81) ; v1(266.75,86.7) 262.48,90.98 262.48,105.27 252.95,114.79 252.95,124.32 SW60.2
C13: length 390.6
  Bottom w0.25: 281.04,105.75 282.94,107.65 302.95,107.65 304.85,105.75 ; 304.85,105.75 303.82,106.79 303.82,121.08 SW66.2 298.19,122.91 296,122.91 294.1,124.81 SW65.2 ; 304.85,105.75 301.39,102.29 301.39,90.38 SW69.2 295.56,84.55 295.56,64.16 288.76,57.36 271.48,57.36 267.14,53.02 135.98,53.02 127.86,44.9 112.48,44.9 112.48,44.9 105.02,44.9 92.5,32.38 44.39,32.38 42.51,30.5 U2.17
GPIO14: length 318.1
  Top w0.25: 41.2,114.64 41.19,114.64 D7.1 ; 41.2,114.64 D12.1 D66.1 ; 41.2,114.64 34.15,114.64 D2.1 ; U2.19 47.59,50.49 v1(45.08,53)
  Bottom w0.25: D7.1 41.19,104.68 44.21,101.66 44.21,84.99 48,81.2 48,64.95 45.08,62.03 v1(45.08,53)
GPIO15: length 348
  Top w0.25: D3.1 D62.1 259.65,95.59 277,112.95 D67.1 ; v1(50.15,42.78) 50.15,28.91 U2.20
  Bottom w0.25: v1(50.15,42.78) 50.15,49.53 57.84,57.22 57.84,69.16 56.12,70.88 D13.1
GPIO16: length 368.4
  Top w0.25: D5.1 269.37,57.5 D64.1 277.39,65.52 277.39,82.45 289.49,94.55 D69.1 ; U2.21 50.13,13.01 54.19,17.08 54.19,32.28 59.62,37.71 v1(70.39,37.71) ; D15.1 70.41,42.38 v1(70.4,42.37)
  Bottom w0.25: v1(70.39,37.71) 70.39,42.36 v1(70.4,42.37)
GPIO17: length 386.5
  Top w0.25: U2.22 53.74,17.26 D16.1 D21.1 141.12,38.44 ; 141.12,38.44 141.13,38.44 141.13,13.58 D1.1 ; 141.12,38.44 D35.1 D45.1 269.5,38.44 ; 269.5,38.44 269.51,38.46 269.51,44.63 265.44,48.69 v1(265.44,55.28) ; 269.5,38.44 D65.1 ; 274.05,38.44 D60.1
  Bottom w0.25: D70.1 265.44,68.22 v1(265.44,55.28) ; D6.1 D16.1
GPIO18: length 393
  Top w0.25: v1(87.9,37.45) 87.44,36.99 59.53,36.99 54.64,32.1 54.64,12.69 51.43,9.48 44.14,9.48 U2.24 ; D68.1 265.68,86.24 264.85,85.42 264.85,82.21 259.19,76.55 D63.1 D4.1
  Bottom w0.25: D29.1 107.39,65.9 107.39,56.94 v1(87.9,37.45)
GPIO19: length 83.9
  Top w0.25: U2.25 39.95,11.13 C1.2 34.68,20.24 18.98,20.24 10.86,28.36 10.86,29.38 5.01,35.23 ; 4.69,35.54 5.01,35.23 ; 5.01,35.23 4.7,35.53 v1(4.7,40.91)
  Bottom w0.25: R4.2 4.7,69.12 v1(4.7,40.91)
GPIO20: length 50
  Bottom w0.25: J1.4 62.62,12.28 38.6,12.28 U2.26
GPIO21: length 51.1
  Bottom w0.25: J1.3 77.3,27.6 62.44,12.73 36.51,12.73 U2.27
GPIO22: length 56.2
  Top w0.25: R5.2 3.57,34.62 8.12,30.06 8.12,28.42 21.56,14.98 C2.1 29.81,14.97 U2.29
GPIO26: length 186.4
  Top w0.25: R1.1 187.47,5.47 v1(74.12,5.47) ; U2.31 30.36,5.48 v1(70.34,5.48)
  Bottom w0.25: v1(74.12,5.47) 74.11,5.48 v1(70.34,5.48)
GPIO27: length 139.8
  Bottom w0.25: U1.A12 140.96,10.13 140.96,3.61 28.08,3.61 22.19,9.5 U2.32
GPIO28: length 149.4
  Top w0.25: U1.B12 156.76,10.55 v1(154.23,10.55)
  Bottom w0.25: U2.34 17.11,9.5 23.47,3.14 146.82,3.14 v1(154.23,10.55)
Net-(D1-Pad2): length 23.4
  Bottom w0.25: 153.26,26.21 154.28,26.21 U1.C1 ; 153.26,26.21 153.26,25.28 U1.C1 ; 153.26,26.21 143.88,26.21 140.01,22.34 D1.2
Net-(D2-Pad2): length 12.2
  Bottom w0.25: D2.2 22.81,117.82 25.04,120.05 SW1.S2
Net-(D3-Pad2): length 2.4
  Bottom w0.25: SW2.1 D3.2
Net-(D4-Pad2): length 2.4
  Bottom w0.25: SW3.1 D4.2
Net-(D5-Pad2): length 2.4
  Bottom w0.25: 8.5,65.11 10.94,65.11
Net-(D6-Pad2): length 2.4
  Bottom w0.25: D6.2 SW5.1
Net-(D7-Pad2): length 12.8
  Bottom w0.25: D7.2 29.99,114.5 SW6.1
Net-(D8-Pad2): length 2.4
  Bottom w0.25: SW7.1 D8.2
Net-(D9-Pad2): length 2.4
  Bottom w0.25: SW8.1 D9.2
Net-(D10-Pad2): length 11.2
  Bottom w0.25: D10.2 41.87,65.09 41.9,65.11
Net-(D11-Pad2): length 2.4
  Bottom w0.25: D11.2 SW10.1
Net-(D12-Pad2): length 2.4
  Bottom w0.25: D12.2 SW11.1
Net-(D13-Pad2): length 2.4
  Bottom w0.25: 58.56,103.22 D13.2
Net-(D14-Pad2): length 2.4
  Bottom w0.25: D14.2 SW13.1
Net-(D15-Pad2): length 2.4
  Bottom w0.25: 70.41,65.11 72.85,65.11
Net-(D16-Pad2): length 2.4
  Bottom w0.25: D16.2 SW15.1
Net-(D17-Pad2): length 2.4
  Bottom w0.25: D17.2 SW16.1
Net-(D18-Pad2): length 2.4
  Bottom w0.25: SW17.1 D18.2
Net-(D19-Pad2): length 2.4
  Bottom w0.25: D19.2 SW18.1
Net-(D20-Pad2): length 2.4
  Bottom w0.25: 89.46,65.11 91.9,65.11
Net-(D21-Pad2): length 2.4
  Bottom w0.25: D21.2 SW20.1
Net-(D22-Pad2): length 2.4
  Bottom w0.25: D22.2 SW21.1
Net-(D23-Pad2): length 2.4
  Bottom w0.25: SW22.1 D23.2
Net-(D24-Pad2): length 2.4
  Bottom w0.25: D24.2 SW23.1
Net-(D25-Pad2): length 2.4
  Bottom w0.25: 110.95,65.11 108.51,65.11
Net-(D27-Pad2): length 2.4
  Bottom w0.25: D27.2 SW26.1
Net-(D28-Pad2): length 2.4
  Bottom w0.25: SW27.1 D28.2
Net-(D29-Pad2): length 2.4
  Bottom w0.25: D29.2 SW28.1
Net-(D30-Pad2): length 2.4
  Bottom w0.25: 130,65.11 127.56,65.11
Net-(D31-Pad2): length 2.4
  Bottom w0.25: D31.2 SW30.1
Net-(D32-Pad2): length 2.4
  Bottom w0.25: SW31.1 D32.2
Net-(D33-Pad2): length 2.4
  Bottom w0.25: D33.2 SW32.1
Net-(D34-Pad2): length 2.4
  Bottom w0.25: 149.05,65.11 146.61,65.11
Net-(D35-Pad2): length 2.4
  Bottom w0.25: D35.2 SW34.1
Net-(D36-Pad2): length 2.4
  Bottom w0.25: SW35.1 D36.2
Net-(D37-Pad2): length 2.4
  Bottom w0.25: SW36.1 D37.2
Net-(D38-Pad2): length 2.4
  Bottom w0.25: D38.2 SW37.1
Net-(D39-Pad2): length 2.4
  Bottom w0.25: 168.1,65.11 165.66,65.11
Net-(D41-Pad2): length 2.4
  Bottom w0.25: SW40.1 D41.2
Net-(D42-Pad2): length 2.4
  Bottom w0.25: SW41.1 D42.2
Net-(D43-Pad2): length 2.4
  Bottom w0.25: D43.2 SW42.1
Net-(D44-Pad2): length 2.4
  Bottom w0.25: 187.15,65.11 184.71,65.11
Net-(D45-Pad2): length 2.4
  Bottom w0.25: D45.2 SW44.1
Net-(D46-Pad2): length 2.4
  Bottom w0.25: SW45.1 D46.2
Net-(D47-Pad2): length 2.4
  Bottom w0.25: SW46.1 D47.2
Net-(D48-Pad2): length 2.4
  Bottom w0.25: D48.2 SW47.1
Net-(D49-Pad2): length 2.4
  Bottom w0.25: 206.2,65.11 203.76,65.11
Net-(D50-Pad2): length 2.4
  Bottom w0.25: D50.2 SW49.1
Net-(D51-Pad2): length 2.4
  Bottom w0.25: SW50.1 D51.2
Net-(D52-Pad2): length 2.4
  Bottom w0.25: SW51.1 D52.2
Net-(D53-Pad2): length 2.4
  Bottom w0.25: D53.2 SW52.1
Net-(D54-Pad2): length 2.4
  Bottom w0.25: 225.25,65.11 222.81,65.11
Net-(D55-Pad2): length 2.4
  Bottom w0.25: D55.2 SW54.1
Net-(D56-Pad2): length 2.4
  Bottom w0.25: SW55.1 D56.2
Net-(D57-Pad2): length 2.4
  Bottom w0.25: SW56.1 D57.2
Net-(D58-Pad2): length 2.4
  Bottom w0.25: D58.2 SW57.1
Net-(D59-Pad2): length 2.4
  Bottom w0.25: 244.3,65.11 241.86,65.11
Net-(D60-Pad2): length 2.4
  Bottom w0.25: D60.2 SW59.1
Net-(D61-Pad2): length 2.4
  Bottom w0.25: SW60.1 D61.2
Net-(D62-Pad2): length 2.4
  Bottom w0.25: SW61.1 D62.2
Net-(D63-Pad2): length 2.4
  Bottom w0.25: D63.2 SW62.1
Net-(D64-Pad2): length 10.6
  Bottom w0.25: 280.02,65.11 279.98,65.16 D64.2
Net-(D65-Pad2): length 2.4
  Bottom w0.25: D65.2 SW64.1
Net-(D66-Pad2): length 2.4
  Bottom w0.25: SW65.1 D66.2
Net-(D67-Pad2): length 10.2
  Bottom w0.25: D67.2 287.16,122.27 SW66.1
Net-(D68-Pad2): length 2.4
  Bottom w0.25: SW67.1 D68.2
Net-(D69-Pad2): length 2.4
  Bottom w0.25: SW68.1 D69.2
Net-(D70-Pad2): length 11
  Bottom w0.25: SW69.1 284.78,84.16 D70.2
Net-(J2-Pad2): length 8
  Bottom w0.25: J2.2 203.31,10.36 R1.2
Net-(J3-Pad1): length 6.4
  Bottom w0.25: U2.43 56.28,17.46 J3.1
Net-(J3-Pad3): length 6.4
  Bottom w0.25: J3.3 49.91,22.55 U2.41
Net-(R2-Pad1): length 48
  Top w0.25: R4.1 1.34,82.64 1.34,115.57 R2.1 7.98,122.2 SW1.A
Net-(R3-Pad1): length 60.3
  Top w0.25: SW1.B 10.54,111.73 3.57,104.76 R3.1
  Bottom w0.25: R5.1 1.28,64.01 1.28,96.81 R3.1

## Copper pours and planes (outline as drawn; the poured copper is in the pictures)
GND on Top, Bottom: 336.24,-9.64 -16.92,-9.47 -17.4,135.44 336.24,135.44

## Text on the board
B.Silkscreen: 5V | DIN | GND
F.Silkscreen: https://github.com/zli117/Pico-Keyboard / CC BY-SA 4.0 / Ver 0.5
